# Altium PCB IRVT-001.PcbDoc (part 3 of 4) (continued)
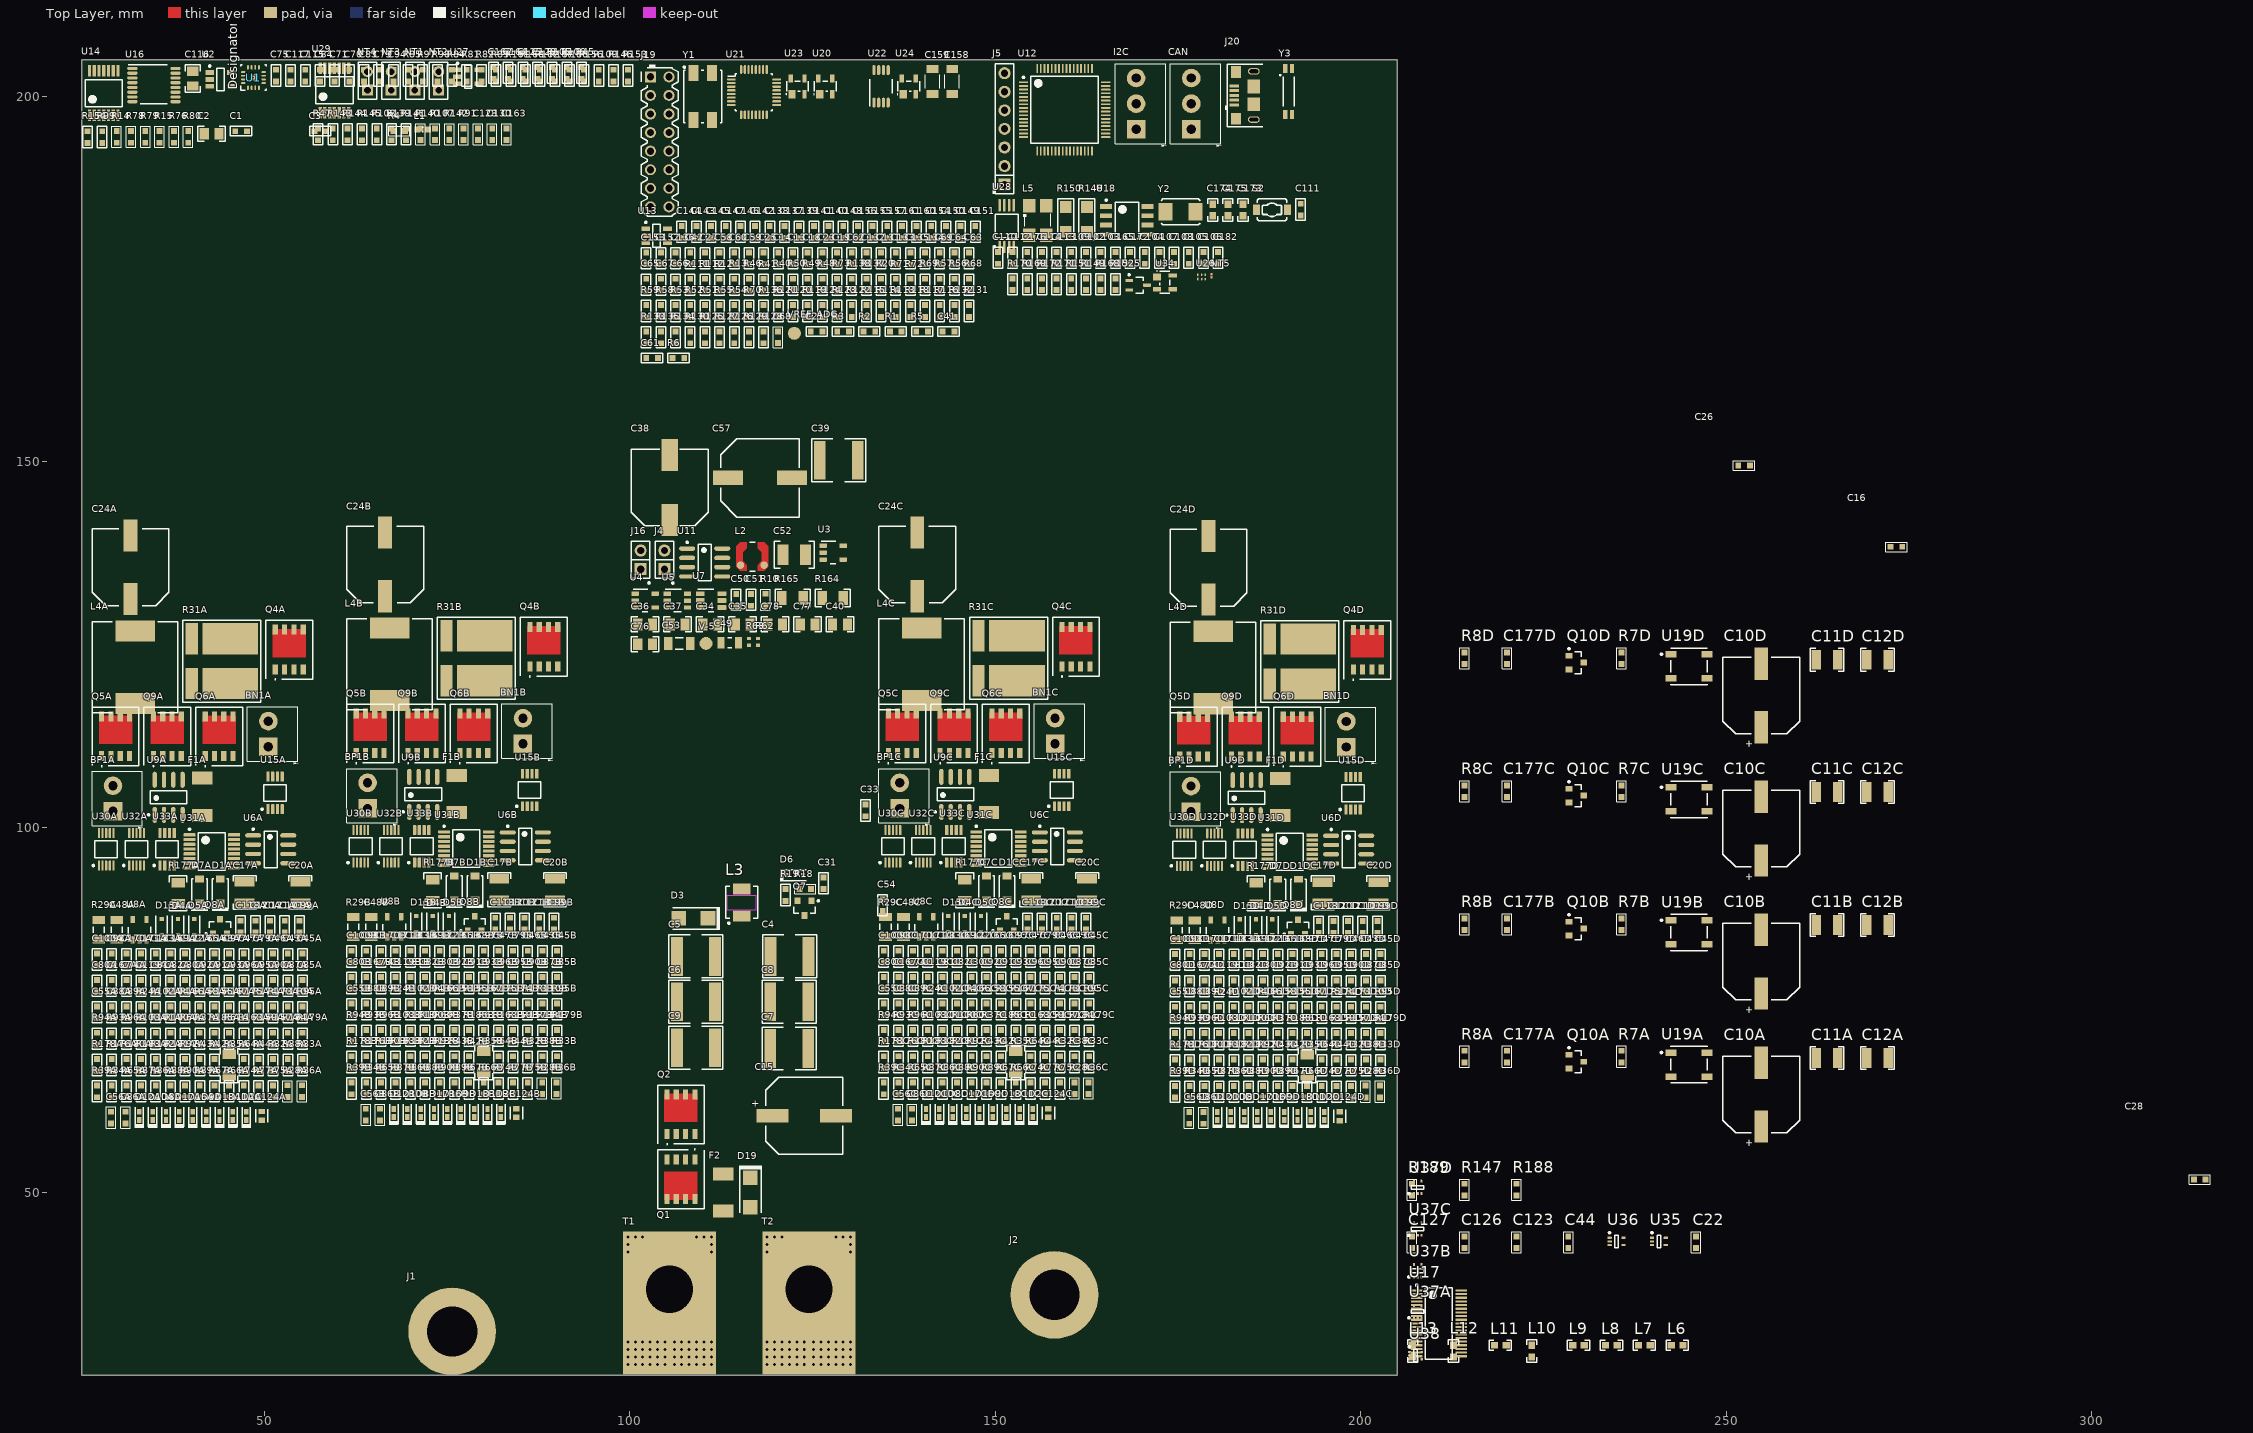
[diagram p0: Top Layer view]
## Part data (continued)
R25: "RES, 54.9 k, 1%, 0.1 W, 0603", Manufacturer="Yageo America", Power_W=0.1, Supplier Part Number 1=311-54.9KHRCT-ND, TempCo="200 ppm/C", Tolerance_%=1, Value1=1%, Value2=0.1W, Value_Code=54k9, ValueDisplayed=54.9k, AEC Category=Q200, AEC Qualified=?, ComponentLink1Description="Datasheet link", ComponentLink1URL=http://www.yageo.com/pdf/Pu-RC0603_51_PbFree_L_2.pdf, CompType=Resistor, EIA_Code=E96, LatestRevisionDate=2016-09-18, MountType=SMT, PackageReference=0603, PartNumber=RC0603FR-0754K9L, Published=2008-06-26, Publisher="Texas Instruments", Res_ohm=54900, RoHS=Y, SizeArea_mm2=1.28, SizeX_mm=1.6, SizeY_mm=0.8, SizeZ_mm=1, Supplier 1=Digi-Key, Supplier 2=Mouser, Supplier Part Number 2=603-RC0603FR-0754K9L, SymbolVersion=2009-05-29, Technology="Thick Film", U/M=EA, VDC_V=150
R26 R158A R158B R158C R158D: "RES, 0, 5%, 0.1 W, 0603", Manufacturer="Yageo America", Power_W=0.1, Supplier Part Number 1=311-0.0GRCT-ND, TempCo="200 ppm/C", Tolerance_%=5, Value1=5%, Value2=0.1W, Value_Code=0000, ValueDisplayed=0, AEC Category=Q200, AEC Qualified=?, ComponentLink1Description="Datasheet link", ComponentLink1URL=http://www.yageo.com/pdf/Pu-RC0603_51_PbFree_L_2.pdf, CompType=Resistor, EIA_Code=E24, LatestRevisionDate=2016-09-18, MountType=SMT, PackageReference=0603, PartNumber=RC0603JR-070RL, Published=2008-06-26, Publisher="Texas Instruments", Res_ohm=0, RoHS=Y, SizeArea_mm2=1.28, SizeX_mm=1.6, SizeY_mm=0.8, SizeZ_mm=1, Supplier 1=Digi-Key, Supplier 2=Mouser, Supplier 3=Farnell, Supplier Part Number 2=603-RC0603JR-070RL, Supplier Part Number 3=9233130, SymbolVersion=2009-05-29, Technology="Thick Film", U/M=EA, VDC_V=50
R29A R29B R29C R29D: "RES, 10.0, 1%, 0.25 W, 1206", Manufacturer="Yageo America", Power_W=0.25, Supplier Part Number 1=311-10.0FRCT-ND, TempCo="200 ppm/C", Tolerance_%=1, Value1=1%, Value2=0.25W, Value_Code=10R0, ValueDisplayed=10.0, AEC Category=Q200, AEC Qualified=?, ComponentLink1Description="Datasheet link", ComponentLink1URL=http://www.yageo.com/pdf/Pu-RC1206_51_PbFree_L_2.pdf, CompType=Resistor, EIA_Code=E96, LatestRevisionDate=2017-03-10, MountType=SMT, PackageReference=1206, PartNumber=RC1206FR-0710RL, Published=2008-06-26, Publisher="Texas Instruments", Res_ohm=10, RoHS=Y, SizeArea_mm2=5.12, SizeX_mm=3.2, SizeY_mm=1.6, SizeZ_mm=1.35, Supplier 1=Digi-Key, Supplier 2=Mouser, Supplier 3=Farnell, Supplier Part Number 2=603-RC1206FR-0710RL, Supplier Part Number 3=9236643, SymbolVersion=2009-05-29, Technology="Thick Film", U/M=EA, VDC_V=200
R31A R31B R31C R31D: library part WSL36371L000FEA, "RES, 0.002, 1%, 3 W, WSL3637", Manufacturer=Vishay-Dale, Power_W=3, Supplier Part Number 1=71-WSL36372L000FEA, TempCo="75 ppm/C", Tolerance_%=1, Value1=1%, Value2=3W, Value_Code=2L000, ValueDisplayed=0.002, AEC Category=Q200, AEC Qualified=?, ComponentLink1Description="Datasheet link", ComponentLink1URL=http://www.vishay.com/docs/30099/wsl3637.pdf, CompType=Resistor, EIA_Code=E96, LatestRevisionDate=2016-09-24, MountType=SMT, PackageReference=WSL3637, PartNumber=WSL36372L000FEA, Published=2008-06-26, Publisher="Texas Instruments", Res_ohm=0.002, RoHS=Y, Supplier 1=Mouser, Supplier 2=Newark, Supplier Part Number 2=46P3685, SymbolVersion=2009-05-29, Technology="Metal Film", U/M=EA, VDC_V=0
R32A R32B R32C R32D R33A R33B R33C R33D R38A R38B R38C R38D R87A R87B R87C R87D R155A R155B R155C R155D R174A R174B R174C R174D R180A R180B R180C R180D R182A R182B R182C R182D R186 R187: "RES, 10.0, 1%, 0.1 W, 0603", Manufacturer="Yageo America", Power_W=0.1, Supplier Part Number 1=311-10.0HRCT-ND, TempCo="200 ppm/C", Tolerance_%=1, Value1=1%, Value2=0.1W, Value_Code=10R0, ValueDisplayed=10.0, AEC Category=Q200, AEC Qualified=?, ComponentLink1Description="Datasheet link", ComponentLink1URL=http://www.yageo.com/pdf/Pu-RC0603_51_PbFree_L_2.pdf, CompType=Resistor, EIA_Code=E96, LatestRevisionDate=2016-09-18, MountType=SMT, PackageReference=0603, PartNumber=RC0603FR-0710RL, Published=2008-06-26, Publisher="Texas Instruments", Res_ohm=10, RoHS=Y, SizeArea_mm2=1.28, SizeX_mm=1.6, SizeY_mm=0.8, SizeZ_mm=1, Supplier 1=Digi-Key, Supplier 2=Mouser, Supplier 3=Farnell, Supplier Part Number 2=603-RC0603FR-0710RL, Supplier Part Number 3=9238247, SymbolVersion=2009-05-29, Technology="Thick Film", U/M=EA, VDC_V=150
R35A R35B R35C R35D R164 R165 R177A R177B R177C R177D: "RES, 10.0, 1%, 0.25 W, 1206", Manufacturer=Panasonic, Power_W=0.25, Supplier Part Number 1=P10.0FCT-ND, TempCo="100 ppm/C", Tolerance_%=1, Value1=1%, Value2=0.25W, Value_Code=10R0, ValueDisplayed=10.0, ComponentLink1Description="Datasheet link", ComponentLink1URL=http://www.panasonic.com/industrial/components/pdf/AOA0000CE2.pdf, CompType=Resistor, EIA_Code=E96, LatestRevisionDate=2014-09-18, MountType=SMT, PackageReference=1206, PartNumber=ERJ-8ENF10R0V, Published=2008-06-26, Publisher="Texas Instruments", Res_ohm=10, RoHS=Y, Supplier 1=Digi-Key, Supplier 2=Farnell, Supplier Part Number 2=1748406, SymbolVersion=2009-05-29, Technology="Thick Film", U/M=EA, VDC_V=200
R40 R49 R54 R113 R115 R128: library part CMP-0022448-4, "RES, 49.9, 1%, 0.1 W, AEC-Q200 Grade 0, 0603", Manufacturer=Vishay-Dale, PartNumber=CRCW060349R9FKEA, Power_W=100mW, Supplier Part Number 1=541-49.9HCT-ND, TempCo="100 ppm/C", Tolerance_%=1%, Value2=0.1W, Value_Code=49R9, ValueDisplayed=49.9, AEC Category=Q200, AEC Grade=0, AEC Qualified=Y, ComponentLink1Description="Datasheet link", ComponentLink1URL=http://www.vishay.com/docs/20035/dcrcwe3.pdf, CompType=Resistor, EIA_Code=E96, MountType=SMT, PackageReference=0603, Res_ohm=49.9, RoHS=E, SizeArea_mm2=1.28, SizeX_mm=1.6, SizeY_mm=0.8, SizeZ_mm=1, Supplier 1=Digi-Key, Supplier 2=Newark, Supplier 3=Mouser, Supplier Part Number 2=52K8566, Supplier Part Number 3=71-CRCW0603-49.9-E3, Technology="Thick Film", Value1=1%, VDC_V=75V
R43A R43B R43C R43D: "RES, 47, 5%, 0.1 W, 0603", Manufacturer=Vishay-Dale, Power_W=0.1, Supplier Part Number 1=541-47GCT-ND, TempCo="200 ppm/C", Tolerance_%=5, Value1=5%, Value2=0.1W, Value_Code=47R0, ValueDisplayed=47, AEC Category=Q200, AEC Qualified=?, ComponentLink1Description="Datasheet link", ComponentLink1URL=http://www.vishay.com/docs/20035/dcrcwe3.pdf, CompType=Resistor, EIA_Code=E24, LatestRevisionDate=2017-03-04, MountType=SMT, PackageReference=0603, PartNumber=CRCW060347R0JNEA, Published=2008-06-26, Publisher="Texas Instruments", Res_ohm=47, RoHS=Y, SizeArea_mm2=1.28, SizeX_mm=1.6, SizeY_mm=0.8, SizeZ_mm=1, Supplier 1=Digi-Key, Supplier 2=Newark, Supplier 3=Mouser, Supplier Part Number 2=52K8552, Supplier Part Number 3=71-CRCW0603J-47-E3, SymbolVersion=2009-05-29, Technology="Thick Film", U/M=EA, VDC_V=75
R45 R106 R108 R139 R141 R143 R144 R145 R179A R179B R179C R179D R181A R181B R181C R181D: "RES, 2.20 k, 1%, 0.1 W, 0603", Manufacturer="Yageo America", Power_W=0.1, Supplier Part Number 1=311-2.20KHRCT-ND, TempCo="200 ppm/C", Tolerance_%=1, Value1=1%, Value2=0.1W, Value_Code=2k20, ValueDisplayed=2.20k, AEC Category=Q200, AEC Qualified=?, ComponentLink1Description="Datasheet link", ComponentLink1URL=http://www.yageo.com/pdf/Pu-RC0603_51_PbFree_L_2.pdf, CompType=Resistor, LatestRevisionDate=2017-03-04, MountType=SMT, PackageReference=0603, PartNumber=RC0603FR-072K2L, Published=2008-06-26, Publisher="Texas Instruments", Res_ohm=2200, RoHS=Y, SizeArea_mm2=1.28, SizeX_mm=1.6, SizeY_mm=0.8, SizeZ_mm=1, Supplier 1=Digi-Key, Supplier 2=Mouser, Supplier 3=Farnell, Supplier Part Number 2=603-RC0603FR-072K2L, Supplier Part Number 3=9238522, SymbolVersion=2009-05-29, Technology="Thick Film", U/M=EA, VDC_V=150
R55 R56 R126 R129: library part Resistor, "RES, 3.30 k, 1%, 0.1 W, 0603", Manufacturer="Yageo America", Power_W=100mW, Supplier Part Number 1=311-3.30KHRCT-ND, TempCo="200 ppm/C", Tolerance_%=1%, Value2=0.1W, Value_Code=3k30, ValueDisplayed=3.30k, AEC Category=Q200, AEC Qualified=?, ComponentLink1Description="Datasheet link", ComponentLink1URL=http://www.yageo.com/pdf/Pu-RC0603_51_PbFree_L_2.pdf, CompType=Resistor, LatestRevisionDate=2017-03-09, MountType=SMT, PackageReference=0603, PartNumber=RC0603FR-073K3L, Published=2008-06-26, Publisher="Texas Instruments", Res_ohm=3.3k, RoHS=Y, SizeArea_mm2=1.28, SizeX_mm=1.6, SizeY_mm=0.8, SizeZ_mm=1, Supplier 1=Digi-Key, Supplier 2=Mouser, Supplier 3=Farnell, Supplier Part Number 2=603-RC0603FR-073K3L, Supplier Part Number 3=9238549, Technology="Thick Film", U/M=EA, Value1=1%, VDC_V=150V
R57 R130: "RES, 49.9, 1%, 0.1 W, AEC-Q200 Grade 0, 0603", Manufacturer=Vishay-Dale, PartNumber=CRCW060349R9FKEA, Power_W=100mW, Supplier Part Number 1=541-49.9HCT-ND, TempCo="100 ppm/C", Tolerance_%=1%, Value2=0.1W, Value_Code=49R9, ValueDisplayed=49.9, AEC Category=Q200, AEC Grade=0, AEC Qualified=Y, ComponentLink1Description="Datasheet link", ComponentLink1URL=http://www.vishay.com/docs/20035/dcrcwe3.pdf, CompType=Resistor, EIA_Code=E96, MountType=SMT, PackageReference=0603, Res_ohm=49.9, RoHS=E, SizeArea_mm2=1.28, SizeX_mm=1.6, SizeY_mm=0.8, SizeZ_mm=1, Supplier 1=Digi-Key, Supplier 2=Newark, Supplier 3=Mouser, Supplier Part Number 2=52K8566, Supplier Part Number 3=71-CRCW0603-49.9-E3, Technology="Thick Film", Value1=1%, VDC_V=75V
R58 R131: "RES, 100 k, 1%, 0.1 W, AEC-Q200 Grade 0, 0603", Manufacturer=Vishay-Dale, PartNumber=CRCW0603100KFKEA, Power_W=100mW, Supplier Part Number 1=541-100KHCT-ND, TempCo="100 ppm/C", Tolerance_%=1%, Value2=0.1W, Value_Code=100k, AEC Category=Q200, AEC Grade=0, AEC Qualified=Y, ComponentLink1Description="Datasheet link", ComponentLink1URL=http://www.vishay.com/docs/20035/dcrcwe3.pdf, CompType=Resistor, EIA_Code=E96, MountType=SMT, PackageReference=0603, Res_ohm=100k, RoHS=E, SizeArea_mm2=1.28, SizeX_mm=1.6, SizeY_mm=0.8, SizeZ_mm=1, Supplier 1=Digi-Key, Supplier 2=Newark, Supplier 3=Mouser, Supplier Part Number 2=42K3668, Supplier Part Number 3=71-CRCW0603-100K-E3, Technology="Thick Film", Value1=1%, ValueDisplayed=100k, VDC_V=75V
R59 R132: library part Resistor, "RES, 1.50 k, 1%, 0.1 W, 0603", Manufacturer="Yageo America", Power_W=100mW, Supplier Part Number 1=311-1.50KHRCT-ND, TempCo="200 ppm/C", Tolerance_%=1%, Value2=0.1W, Value_Code=1k50, ValueDisplayed=1.50k, AEC Category=Q200, AEC Qualified=?, ComponentLink1Description="Datasheet link", ComponentLink1URL=http://www.yageo.com/pdf/Pu-RC0603_51_PbFree_L_2.pdf, CompType=Resistor, EIA_Code=E96, LatestRevisionDate=2017-03-09, MountType=SMT, PackageReference=0603, PartNumber=RC0603FR-071K5L, Published=2008-06-26, Publisher="Texas Instruments", Res_ohm=1.5k, RoHS=Y, SizeArea_mm2=1.28, SizeX_mm=1.6, SizeY_mm=0.8, SizeZ_mm=1, Supplier 1=Digi-Key, Supplier 2=Mouser, Supplier 3=Farnell, Supplier Part Number 2=603-RC0603FR-071K5L, Supplier Part Number 3=9238506, Technology="Thick Film", U/M=EA, Value1=1%, VDC_V=150V
R60A R60B R60C R60D R61A R61B R61C R61D R120: library part CMP-0022446-5, "RES, 499, 1%, 0.1 W, AEC-Q200 Grade 0, 0603", Manufacturer=Vishay-Dale, PartNumber=CRCW0603499RFKEA, Power_W=100mW, Supplier Part Number 1=541-499HCT-ND, TempCo="100 ppm/C", Tolerance_%=1%, Value2=0.1W, Value_Code=499R, ValueDisplayed=499, AEC Category=Q200, AEC Grade=0, AEC Qualified=Y, ComponentLink1Description="Datasheet link", ComponentLink1URL=http://www.vishay.com/docs/20035/dcrcwe3.pdf, CompType=Resistor, EIA_Code=E96, MountType=SMT, PackageReference=0603, Res_ohm=499, RoHS=E, SizeArea_mm2=1.28, SizeX_mm=1.6, SizeY_mm=0.8, SizeZ_mm=1, Supplier 1=Digi-Key, Supplier 2=Newark, Supplier 3=Mouser, Supplier Part Number 2=52K8569, Supplier Part Number 3=71-CRCW0603-499-E3, Technology="Thick Film", Value1=1%, VDC_V=75V
R62: library part CMP-1011-00805-1, "412K 0.063W 1% 0402 (1005 Metric)  SMD", Case-EIA=0402, Case-Metric=1005, Power="0.063 W", Tolerance="1 %", Technology=SMT
R63: library part CMP-1011-00768-1, "200K 0.063W 1% 0402 (1005 Metric)  SMD", Case-EIA=0402, Case-Metric=1005, Power="0.063 W", Tolerance="1 %", Technology=SMT
R79 R80 R135 R136: library part CMP-0025874-3, "RES, 0, 5%, 0.1 W, 0603", Manufacturer=Panasonic, PartNumber=ERJ-3GEY0R00V, Power_W=100mW, Supplier Part Number 1=P0.0GCT-ND, TempCo="600 ppm/C", Tolerance_%=5%, Value2=0.1W, Value_Code=0000, ValueDisplayed=0, AEC Category=Q200, AEC Qualified=?, ComponentLink1Description="Datasheet link", ComponentLink1URL=http://www.panasonic.com/industrial/components/pdf/AOA0000CE1.pdf, CompType=Resistor, EIA_Code=E24, LatestRevisionDate=2017-03-09, MountType=SMT, PackageReference=0603, Published=2008-06-26, Publisher="Texas Instruments", Res_ohm=0, RoHS=Y, SizeArea_mm2=1.28, SizeX_mm=1.6, SizeY_mm=0.8, SizeZ_mm=1, Supplier 1=Digi-Key, Supplier 2=Mouser, Supplier 3=Farnell, Supplier Part Number 2=667-ERJ-3GEY0R00V, Supplier Part Number 3=2059527, Technology="Thick Film", U/M=EA, Value1=5%, VDC_V=50V
R88A R88B R88C R88D R92A R92B R92C R92D R95A R95B R95C R95D R96A R96B R96C R96D R173A R173B R173C R173D R176A R176B R176C R176D R184A R184B R184C R184D: "RES, 1.00 k, 1%, 0.1 W, 0603", Manufacturer="Yageo America", Power_W=0.1, Supplier Part Number 1=311-1.00KHRCT-ND, TempCo="200 ppm/C", Tolerance_%=1, Value1=1%, Value2=0.1W, Value_Code=1k00, ValueDisplayed=1.00k, AEC Category=Q200, AEC Qualified=?, ComponentLink1Description="Datasheet link", ComponentLink1URL=http://www.yageo.com/pdf/Pu-RC0603_51_PbFree_L_2.pdf, CompType=Resistor, EIA_Code=E96, LatestRevisionDate=2017-03-04, MountType=SMT, PackageReference=0603, PartNumber=RC0603FR-071KL, Published=2008-06-26, Publisher="Texas Instruments", Res_ohm=1000, RoHS=Y, SizeArea_mm2=1.28, SizeX_mm=1.6, SizeY_mm=0.8, SizeZ_mm=1, Supplier 1=Digi-Key, Supplier 2=Mouser, Supplier 3=Farnell, Supplier Part Number 2=603-RC0603FR-071KL, Supplier Part Number 3=9238484, SymbolVersion=2009-05-29, Technology="Thick Film", U/M=EA, VDC_V=150
R101A R101B R101C R101D: "RES, 330, 1%, 0.1 W, 0603", Manufacturer="Yageo America", Power_W=0.1, Supplier Part Number 1=311-330HRCT-ND, TempCo="200 ppm/C", Tolerance_%=1, Value1=1%, Value2=0.1W, Value_Code=330R, ValueDisplayed=330, AEC Category=Q200, AEC Qualified=?, ComponentLink1Description="Datasheet link", ComponentLink1URL=http://www.yageo.com/pdf/Pu-RC0603_51_PbFree_L_2.pdf, CompType=Resistor, LatestRevisionDate=2017-03-04, MountType=SMT, PackageReference=0603, PartNumber=RC0603FR-07330RL, Published=2008-06-26, Publisher="Texas Instruments", Res_ohm=330, RoHS=Y, SizeArea_mm2=1.28, SizeX_mm=1.6, SizeY_mm=0.8, SizeZ_mm=1, Supplier 1=Digi-Key, Supplier 2=Mouser, Supplier 3=Farnell, Supplier Part Number 2=603-RC0603FR-07330RL, Supplier Part Number 3=9238425, SymbolVersion=2009-05-29, Technology="Thick Film", U/M=EA, VDC_V=150
R102A R102B R102C R102D R104A R104B R104C R104D: "RES, 499, 1%, 0.1 W, 0603", Manufacturer=Vishay-Dale, Power_W=0.1, Supplier Part Number 1=541-499HCT-ND, TempCo="100 ppm/C", Tolerance_%=1, Value1=1%, Value2=0.1W, Value_Code=499R, ValueDisplayed=499, AEC Category=Q200, AEC Qualified=?, ComponentLink1Description="Datasheet link", ComponentLink1URL=http://www.vishay.com/docs/20035/dcrcwe3.pdf, CompType=Resistor, EIA_Code=E96, Green_EU RoHS="Passed with Exemption", Green_EU RoHS-2=Passed, Green_Lifecycle=Active, Green_REACh=Passed, LatestRevisionDate=2017-05-31, MountType=SMT, PackageReference=0603, PartNumber=CRCW0603499RFKEA, Published=2008-06-26, Publisher="Texas Instruments", Res_ohm=499, RoHS=Y, SizeArea_mm2=1.28, SizeX_mm=1.6, SizeY_mm=0.8, SizeZ_mm=1, Supplier 1=Digi-Key, Supplier 2=Newark, Supplier 3=Mouser, Supplier Part Number 2=52K8569, Supplier Part Number 3=71-CRCW0603-499-E3, SymbolVersion=2009-05-29, Technology="Thick Film", U/M=EA, VDC_V=75
R110A R110B R110C R110D: "RES, 14.0 k, 1%, 0.1 W, 0603", Manufacturer="Yageo America", Power_W=0.1, Supplier Part Number 1=311-14.0KHRCT-ND, TempCo="200 ppm/C", Tolerance_%=1, Value1=1%, Value2=0.1W, Value_Code=14k0, ValueDisplayed=14.0k, AEC Category=Q200, AEC Qualified=?, ComponentLink1Description="Datasheet link", ComponentLink1URL=http://www.yageo.com/pdf/Pu-RC0603_51_PbFree_L_2.pdf, CompType=Resistor, EIA_Code=E96, LatestRevisionDate=2016-09-18, MountType=SMT, PackageReference=0603, PartNumber=RC0603FR-0714KL, Published=2008-06-26, Publisher="Texas Instruments", Res_ohm=14000, RoHS=Y, SizeArea_mm2=1.28, SizeX_mm=1.6, SizeY_mm=0.8, SizeZ_mm=1, Supplier 1=Digi-Key, Supplier 2=Mouser, Supplier Part Number 2=603-RC0603FR-0714KL, SymbolVersion=2009-05-29, Technology="Thick Film", U/M=EA, VDC_V=150
R134: "RES, 1.00, 1%, 0.1 W, AEC-Q200 Grade 0, 0603", Manufacturer=Vishay-Dale, PartNumber=CRCW06031R00FKEA, Power_W=100mW, Supplier Part Number 1=52K8059, TempCo="100 ppm/C", Tolerance_%=1%, Value2=0.1W, Value_Code=1R00, ValueDisplayed=1.00, AEC Category=Q200, AEC Grade=0, AEC Qualified=Y, ComponentLink1Description="Datasheet link", ComponentLink1URL=http://www.vishay.com/docs/20035/dcrcwe3.pdf, CompType=Resistor, EIA_Code=E96, MountType=SMT, PackageReference=0603, Res_ohm=1, RoHS=E, SizeArea_mm2=1.28, SizeX_mm=1.6, SizeY_mm=0.8, SizeZ_mm=1, Supplier 1=Newark, Supplier 2=Mouser, Supplier 3=Farnell, Supplier Part Number 2=71-CRCW06031R00FKEA, Supplier Part Number 3=1616871, Technology="Thick Film", Value1=1%, VDC_V=75V
R137: library part CMP-0022138-4, "RES, 1.00 M, 1%, 0.1 W, AEC-Q200 Grade 0, 0603", Manufacturer=Vishay-Dale, PartNumber=CRCW06031M00FKEA, Power_W=100mW, Supplier Part Number 1=541-1.00MHCT-ND, TempCo="100 ppm/C", Tolerance_%=1%, Value2=0.1W, Value_Code=1M00, ValueDisplayed=1.00M, AEC Category=Q200, AEC Grade=0, AEC Qualified=Y, ComponentLink1Description="Datasheet link", ComponentLink1URL=http://www.vishay.com/docs/20035/dcrcwe3.pdf, CompType=Resistor, EIA_Code=E96, MountType=SMT, PackageReference=0603, Res_ohm=1M, RoHS=E, SizeArea_mm2=1.28, SizeX_mm=1.6, SizeY_mm=0.8, SizeZ_mm=1, Supplier 1=Digi-Key, Supplier 2=Newark, Supplier 3=Mouser, Supplier Part Number 2=52K8053, Supplier Part Number 3=71-CRCW0603-1.0M-E3, Technology="Thick Film", Value1=1%, VDC_V=75V
R148 R150: "RES, 60.4, 1%, 0.25 W, 1206", Manufacturer=Vishay-Dale, Power_W=0.25, Supplier Part Number 1=541-60.4FCT-ND, TempCo="100 ppm/C", Tolerance_%=1, Value1=1%, Value2=0.25W, Value_Code=60R4, ValueDisplayed=60.4, AEC Category=Q200, AEC Qualified=?, ComponentLink1Description="Datasheet link", ComponentLink1URL=http://www.vishay.com/docs/20035/dcrcwe3.pdf, CompType=Resistor, EIA_Code=E96, LatestRevisionDate=2017-03-07, MountType=SMT, PackageReference=1206, PartNumber=CRCW120660R4FKEA, Published=2008-06-26, Publisher="Texas Instruments", Res_ohm=60.4, RoHS=Y, SizeArea_mm2=5.12, SizeX_mm=3.2, SizeY_mm=1.6, SizeZ_mm=1.35, Supplier 1=Digi-Key, Supplier 2=Newark, Supplier 3=Mouser, Supplier Part Number 2=53K2546, Supplier Part Number 3=71-CRCW1206-60.4-E3, SymbolVersion=2009-05-29, Technology="Thick Film", U/M=EA, VDC_V=200
R149: "RES, 1.00 k, 1%, 0.1 W, 0603", Manufacturer=Vishay-Dale, Power_W=0.1, Supplier Part Number 1=541-1.00KHCT-ND, TempCo="100 ppm/C", Tolerance_%=1, Value1=1%, Value2=0.1W, Value_Code=1k00, ValueDisplayed=1.00k, AEC Category=Q200, AEC Qualified=?, ComponentLink1Description="Datasheet link", ComponentLink1URL=http://www.vishay.com/docs/20035/dcrcwe3.pdf, CompType=Resistor, EIA_Code=E96, LatestRevisionDate=2015-10-21, MountType=SMT, PackageReference=0603, PartNumber=CRCW06031K00FKEA, Published=2008-06-26, Publisher="Texas Instruments", Res_ohm=1000, RoHS=Y, Supplier 1=Digi-Key, Supplier 2=Mouser, Supplier 3=Farnell, Supplier Part Number 2=71-CRCW0603-1.0K-E3, Supplier Part Number 3=1469740, SymbolVersion=2009-05-29, Technology="Thick Film", U/M=EA, VDC_V=75
R151 R152 R170: "RES, 10.0 k, 1%, 0.1 W, 0603", Manufacturer=Vishay-Dale, Power_W=0.1, Supplier Part Number 1=541-10.0KHCT-ND, TempCo="100 ppm/C", Tolerance_%=1, Value1=1%, Value2=0.1W, Value_Code=10k0, ValueDisplayed=10.0k, AEC Category=Q200, AEC Qualified=?, ComponentLink1Description="Datasheet link", ComponentLink1URL=http://www.vishay.com/docs/20035/dcrcwe3.pdf, CompType=Resistor, EIA_Code=E96, LatestRevisionDate=2015-10-21, MountType=SMT, PackageReference=0603, PartNumber=CRCW060310K0FKEA, Published=2008-06-26, Publisher="Texas Instruments", Res_ohm=10000, RoHS=Y, Supplier 1=Digi-Key, Supplier 2=Mouser, Supplier 3=Farnell, Supplier Part Number 2=71-CRCW0603-10K-E3, Supplier Part Number 3=1469748, SymbolVersion=2009-05-29, Technology="Thick Film", U/M=EA, VDC_V=75
R168: "RES, 51, 5%, 0.1 W, 0603", Manufacturer=Vishay-Dale, Power_W=0.1, Supplier Part Number 1=541-51GCT-ND, TempCo="200 ppm/C", Tolerance_%=5, Value1=5%, Value2=0.1W, Value_Code=51R0, ValueDisplayed=51, AEC Category=Q200, AEC Qualified=?, ComponentLink1Description="Datasheet link", ComponentLink1URL=http://www.vishay.com/docs/20035/dcrcwe3.pdf, CompType=Resistor, EIA_Code=E24, LatestRevisionDate=2015-10-21, MountType=SMT, PackageReference=0603, PartNumber=CRCW060351R0JNEA, Published=2008-06-26, Publisher="Texas Instruments", Res_ohm=51, RoHS=Y, Supplier 1=Digi-Key, Supplier 2=Mouser, Supplier 3=Farnell, Supplier Part Number 2=71-CRCW0603J-51-E3, Supplier Part Number 3=1514778, SymbolVersion=2009-05-29, Technology="Thick Film", U/M=EA, VDC_V=75
R169: "RES, 2.00 k, 1%, 0.1 W, 0603", Manufacturer=Vishay-Dale, Power_W=0.1, Supplier Part Number 1=541-2.00KHCT-ND, TempCo="100 ppm/C", Tolerance_%=1, Value1=1%, Value2=0.1W, Value_Code=2k00, ValueDisplayed=2.00k, AEC Category=Q200, AEC Qualified=?, ComponentLink1Description="Datasheet link", ComponentLink1URL=http://www.vishay.com/docs/20035/dcrcwe3.pdf, CompType=Resistor, EIA_Code=E96, LatestRevisionDate=2015-10-21, MountType=SMT, PackageReference=0603, PartNumber=CRCW06032K00FKEA, Published=2008-06-26, Publisher="Texas Instruments", Res_ohm=2000, RoHS=Y, Supplier 1=Digi-Key, Supplier 2=Mouser, Supplier 3=Farnell, Supplier Part Number 2=71-CRCW0603-2.0K-E3, Supplier Part Number 3=1469764, SymbolVersion=2009-05-29, Technology="Thick Film", U/M=EA, VDC_V=75
R171: "RES, 1.00 M, 1%, 0.1 W, 0603", Manufacturer=Vishay-Dale, Power_W=0.1, Supplier Part Number 1=541-1.00MHCT-ND, TempCo="100 ppm/C", Tolerance_%=1, Value1=1%, Value2=0.1W, Value_Code=1M00, ValueDisplayed=1.00M, AEC Category=Q200, AEC Qualified=?, ComponentLink1Description="Datasheet link", ComponentLink1URL=http://www.vishay.com/docs/20035/dcrcwe3.pdf, CompType=Resistor, EIA_Code=E96, LatestRevisionDate=2015-10-21, MountType=SMT, PackageReference=0603, PartNumber=CRCW06031M00FKEA, Published=2008-06-26, Publisher="Texas Instruments", Res_ohm=1000000, RoHS=Y, Supplier 1=Digi-Key, Supplier 2=Mouser, Supplier 3=Farnell, Supplier Part Number 2=71-CRCW0603-1.0M-E3, Supplier Part Number 3=1469746, SymbolVersion=2009-05-29, Technology="Thick Film", U/M=EA, VDC_V=75
R172: "RES, 100, 1%, 0.1 W, 0603", Manufacturer=Vishay-Dale, Power_W=0.1, Supplier Part Number 1=541-100HCT-ND, TempCo="100 ppm/C", Tolerance_%=1, Value1=1%, Value2=0.1W, Value_Code=100R, ValueDisplayed=100, AEC Category=Q200, AEC Qualified=?, ComponentLink1Description="Datasheet link", ComponentLink1URL=http://www.vishay.com/docs/20035/dcrcwe3.pdf, CompType=Resistor, EIA_Code=E96, LatestRevisionDate=2015-10-21, MountType=SMT, PackageReference=0603, PartNumber=CRCW0603100RFKEA, Published=2008-06-26, Publisher="Texas Instruments", Res_ohm=100, RoHS=Y, Supplier 1=Digi-Key, Supplier 2=Mouser, Supplier 3=Farnell, Supplier Part Number 2=71-CRCW0603-100-E3, Supplier Part Number 3=1469752, SymbolVersion=2009-05-29, Technology="Thick Film", U/M=EA, VDC_V=75
R183A R183B R183C R183D: "RES, 75.0 k, 1%, 0.1 W, 0603", Manufacturer="Yageo America", Power_W=0.1, Supplier Part Number 1=311-75.0KHRCT-ND, TempCo="200 ppm/C", Tolerance_%=1, Value1=1%, Value2=0.1W, Value_Code=75k0, ValueDisplayed=75.0k, AEC Category=Q200, AEC Qualified=?, ComponentLink1Description="Datasheet link", ComponentLink1URL=http://www.yageo.com/pdf/Pu-RC0603_51_PbFree_L_2.pdf, CompType=Resistor, EIA_Code=E96, LatestRevisionDate=2017-03-04, MountType=SMT, PackageReference=0603, PartNumber=RC0603FR-0775KL, Published=2008-06-26, Publisher="Texas Instruments", Res_ohm=75000, RoHS=Y, SizeArea_mm2=1.28, SizeX_mm=1.6, SizeY_mm=0.8, SizeZ_mm=1, Supplier 1=Digi-Key, Supplier 2=Mouser, Supplier 3=Farnell, Supplier Part Number 2=603-RC0603FR-0775KL, Supplier Part Number 3=1799354, SymbolVersion=2009-05-29, Technology="Thick Film", U/M=EA, VDC_V=150
S2: "Switch, Tactile, SPST-NO, 0.05A, 12V, SMT", CurrentRating_mA=50, Manufacturer=E-Switch, Supplier Part Number 1=EG4344CT-ND, Circuit=SPST-NO, ComponentLink1Description="Datasheet URL", ComponentLink1URL=http://spec.e-switch.com/P-J/P420000.pdf, CompType=Switch, LatestRevisionDate=2015-10-14, MountType=SMT, Orientation="Top Actuated", PackageReference="Switch, 4.4x2x2.9 mm", PartNumber=TL1015AF160QG, PositionCount=1, Publisher="Texas Instruments", RoHS=Y, Supplier 1=Digi-Key, Supplier 2=Mouser, Supplier 3=Farnell, Supplier Part Number 2=612-TL1015AF, Supplier Part Number 3=2292962, SwitchFunction=Off-Mom, SymbolCreator=a0412235, SymbolVersion=2012-10-29, VDC_V=12
T1 T2: "Terminal 70A Lug", Manufacturer=Panduit, Supplier Part Number 1=CXS70-14-C-ND, ComponentLink1Description="Datasheet Link", ComponentLink1URL=http://www.panduit.com/heiler/PartDrawings/C-PCCXS70-14-C--ENG.pdf, CompType="Screw Terminal", LatestRevisionDate=2014-11-22, MountType=TH, PackageReference="LUG, 32.3x14.5x11.7", PartNumber=CXS70-14-C, Publisher="Texas Instruments", RoHS=Y, Supplier 1=Digi-Key, Supplier 2=Mouser, Supplier Part Number 2=644-CXS70-14-C, SymbolCreator=crossc, SymbolVersion=2009-10-14, U/M=EA
U1: "No Description Available", Manufacturer="Texas Instruments", PartNumber=DAC70508ZRTER, Copyright="Copyright (C) 2018 Accelerated Designs. All rights reserved", RefDes=RefDes, Type=DEV
U2 U13 U27: library part CMP-0271-00232-3, "Single LinCMOS(TM) Rail-to-Rail uPower Operational Amplifier, 2.7 to 10 V, 0 to 70 degC, 5-pin SOT23 (DBV5), Green (RoHS & no Sb/Br)", Manufacturer="Texas Instruments", Total Supply Voltage(Max)(+5V is 5, +/-5V is 10)=10, Total Supply Voltage(Min)(+5V is 5, +/-5V is 10)=2.7, CMRR(Min)(dB)=65, Code_JEDEC=MO-178, ComponentLink1Description="Manufacturer URL", ComponentLink1URL=http://www.ti.com/, ComponentLink2Description=Datasheet, ComponentLink2URL=http://www.ti.com/general/docs/lit/getliterature.tsp?genericPartNumber=TLV2711&fileType=pdf, ComponentLink3Description="Package Specification", ComponentLink3URL=http://www.ti.com/litv/pdf/mpds018i, DatasheetVersion=SLOS196A, Eco-Plan="Green (RoHS & no Sb/Br)", IIB(Max)(pA)=60, Iq per channel(Max)(mA)=0.025, Mounting Technology="Surface Mount", Number of Channels=1, Offset Drift(Typ)(uV/C)=1, PackageDescription="5-Pin Plastic Small Outline, Body 1.6 x 2.9 mm, Pitch 0.95 mm", PackageReference=DBV0005A, PackageVersion="4073253-4/K, 03/2006", PartNumber=TLV2711CDBVT, Slew Rate(Typ)(V/us)=0.025, Sub Family="Low Power Amp (<=500uA), Low Supply Voltage Amplifier (<=2.7V), Precision Amplifier", Vio (25C)(Max)(mV)=3, Vn at 1kHz(Typ)(nV/rtHz)=22
U3 U4: "150-mA, 30-V, 1-uA IQ Voltage Regulators with Enable, DBV0005A", Alternate Manufacturer="Texas Instruments", Alternate PartNumber=TPS70950DBVT, ComponentLink1Description="Datasheet Link", ComponentLink1URL=http://www.ti.com/lit/ds/symlink/tps70950.pdf, CompType=IC, LatestRevisionDate=2014-11-26, Manufacturer="Texas Instruments", MountType=SMT, PackageReference=DBV0005A, PartNumber=TPS70950DBVR, Publisher="Texas Instruments", RoHS=Y, SymbolCreator=Altium, SymbolVersion=2014-08-29, U/M=EA
U5: "Imported", Manufacturer="Texas Instruments", PartNumber=TPS560430YDBVR, RefDes=RefDes, Type=TYPE
U6A U6B U6C U6D: library part CMP-0079943-1, "50-uV Offset, 7-nV/√Hz Noise, Low-Power, Precision Instrumentation Amplifier, D0008A (SOIC-8)", Alternate Manufacturer="Texas Instruments", Alternate PartNumber=INA828IDR, AEC Category=Q200, AEC Qualified=N, ComponentLink1Description="Datasheet Link", ComponentLink1URL=http://www.ti.com/lit/ds/symlink/ina828.pdf, ComponentLink2Description="Product Folder", ComponentLink2URL=http://www.ti.com/product/ina828, ComponentLink3Description="Online Datasheet", ComponentLink3URL=http://www.ti.com/product/ina828/datasheet, CompType=IC, Manufacturer="Texas Instruments", MountType=SMT, PackageDescription=SOIC-8, PackageReference=D0008A, PartNumber=INA828ID, RoHS=Y, SizeArea_mm2=30.38, SizeAreaWB_mm2=56.58, SizeX_mm=4.9, SizeY_mm=6.2, SizeZ_mm=1.75
U7: library part CMP-0072146-1, "Switched Capacitor Voltage Converter, 6-pin SOT-23", Manufacturer="Texas Instruments", PackageTopMarking=S03A*XTT, PowerWise=N, Code_IPC=SOT26A-6, Code_JEDEC=MO-178-AB, ComponentLink1Description="Datasheet URL", ComponentLink1URL=http://www.ti.com/general/docs/lit/getliterature.tsp?genericPartNumber=LM2664&fileType=pdf, CompType="Switch Caps", PackageDescription="Molded SOT-23, .115 x .063 x .040in Body, 6 Lead, .0375in in Pitch", PackageReference=DBV0006A, PinCount=6, RoHS=N
U8A U8B U8C U8D: "SINGLE DIFFERENTIAL COMPARATOR, DBV0005A (SOT-5)", Alternate Manufacturer="Texas Instruments", Alternate PartNumber=TL331IDBVT, ComponentLink1Description="Datasheet Link", ComponentLink1URL=http://www.ti.com/lit/ds/symlink/tl331.pdf, CompType=IC, LatestRevisionDate=2016-09-25, Manufacturer="Texas Instruments", MountType=SMT, PackageDescription=SOT-5, PackageReference=DBV0005A, PartNumber=TL331IDBVR, Publisher="Texas Instruments", RoHS=Y, SizeArea_mm2=8.12, SizeAreaWB_mm2=14.82, SizeX_mm=2.8, SizeY_mm=2.9, SizeZ_mm=1.45, SymbolCreator=a0411947, SymbolVersion=2013-02-27, U/M=EA
U9A U9B U9C U9D: "0.1-uV/degC Drift, Low-Noise, Rail-to-Rail Output, 36-V, Zero-Drift Operational Amplifiers, D0008A (SOIC-8)", Alternate Manufacturer="Texas Instruments", Alternate PartNumber=OPA180ID, ComponentLink1Description="Datasheet Link", ComponentLink1URL=http://www.ti.com/lit/ds/symlink/opa180.pdf, CompType=IC, LatestRevisionDate=2016-09-25, Manufacturer="Texas Instruments", MountType=SMT, PackageDescription=SOIC-8, PackageReference=D0008A, PartNumber=OPA180IDR, Publisher="Texas Instruments", RoHS=Y, SizeArea_mm2=30.38, SizeAreaWB_mm2=56.58, SizeX_mm=4.9, SizeY_mm=6.2, SizeZ_mm=1.75, SymbolCreator=a0411595/a0412235, SymbolVersion=2015-01-07, U/M=EA
U10 U32A U32B U32C U32D: library part CMP-0069-01835-4, "High-Side Protection Controller with Low Quiescent Current, 10-pin MSOP, Pb-Free", Manufacturer="Texas Instruments", PackageTopMarking=ZXTT*SZAB, PowerWise=Y, Code_JEDEC=MO-187-BA, ComponentLink1Description="Datasheet URL", ComponentLink1URL=http://www.ti.com/general/docs/lit/getliterature.tsp?genericPartNumber=LM5060-Q1&fileType=pdf, CompType=Switcher, High-Reliability=Y, PackageDescription="Mini-SO, Molded, .118 x .118 x .034in Body, 10 Lead, .0197in Pitch", PackageReference=DGS0010A, PartNumber=LM5060Q1MM/NOPB, PinCount=10, RoHS=Y